# Altium PCB Driver_BLDC.PcbDoc (part 2 of 3) (continued)
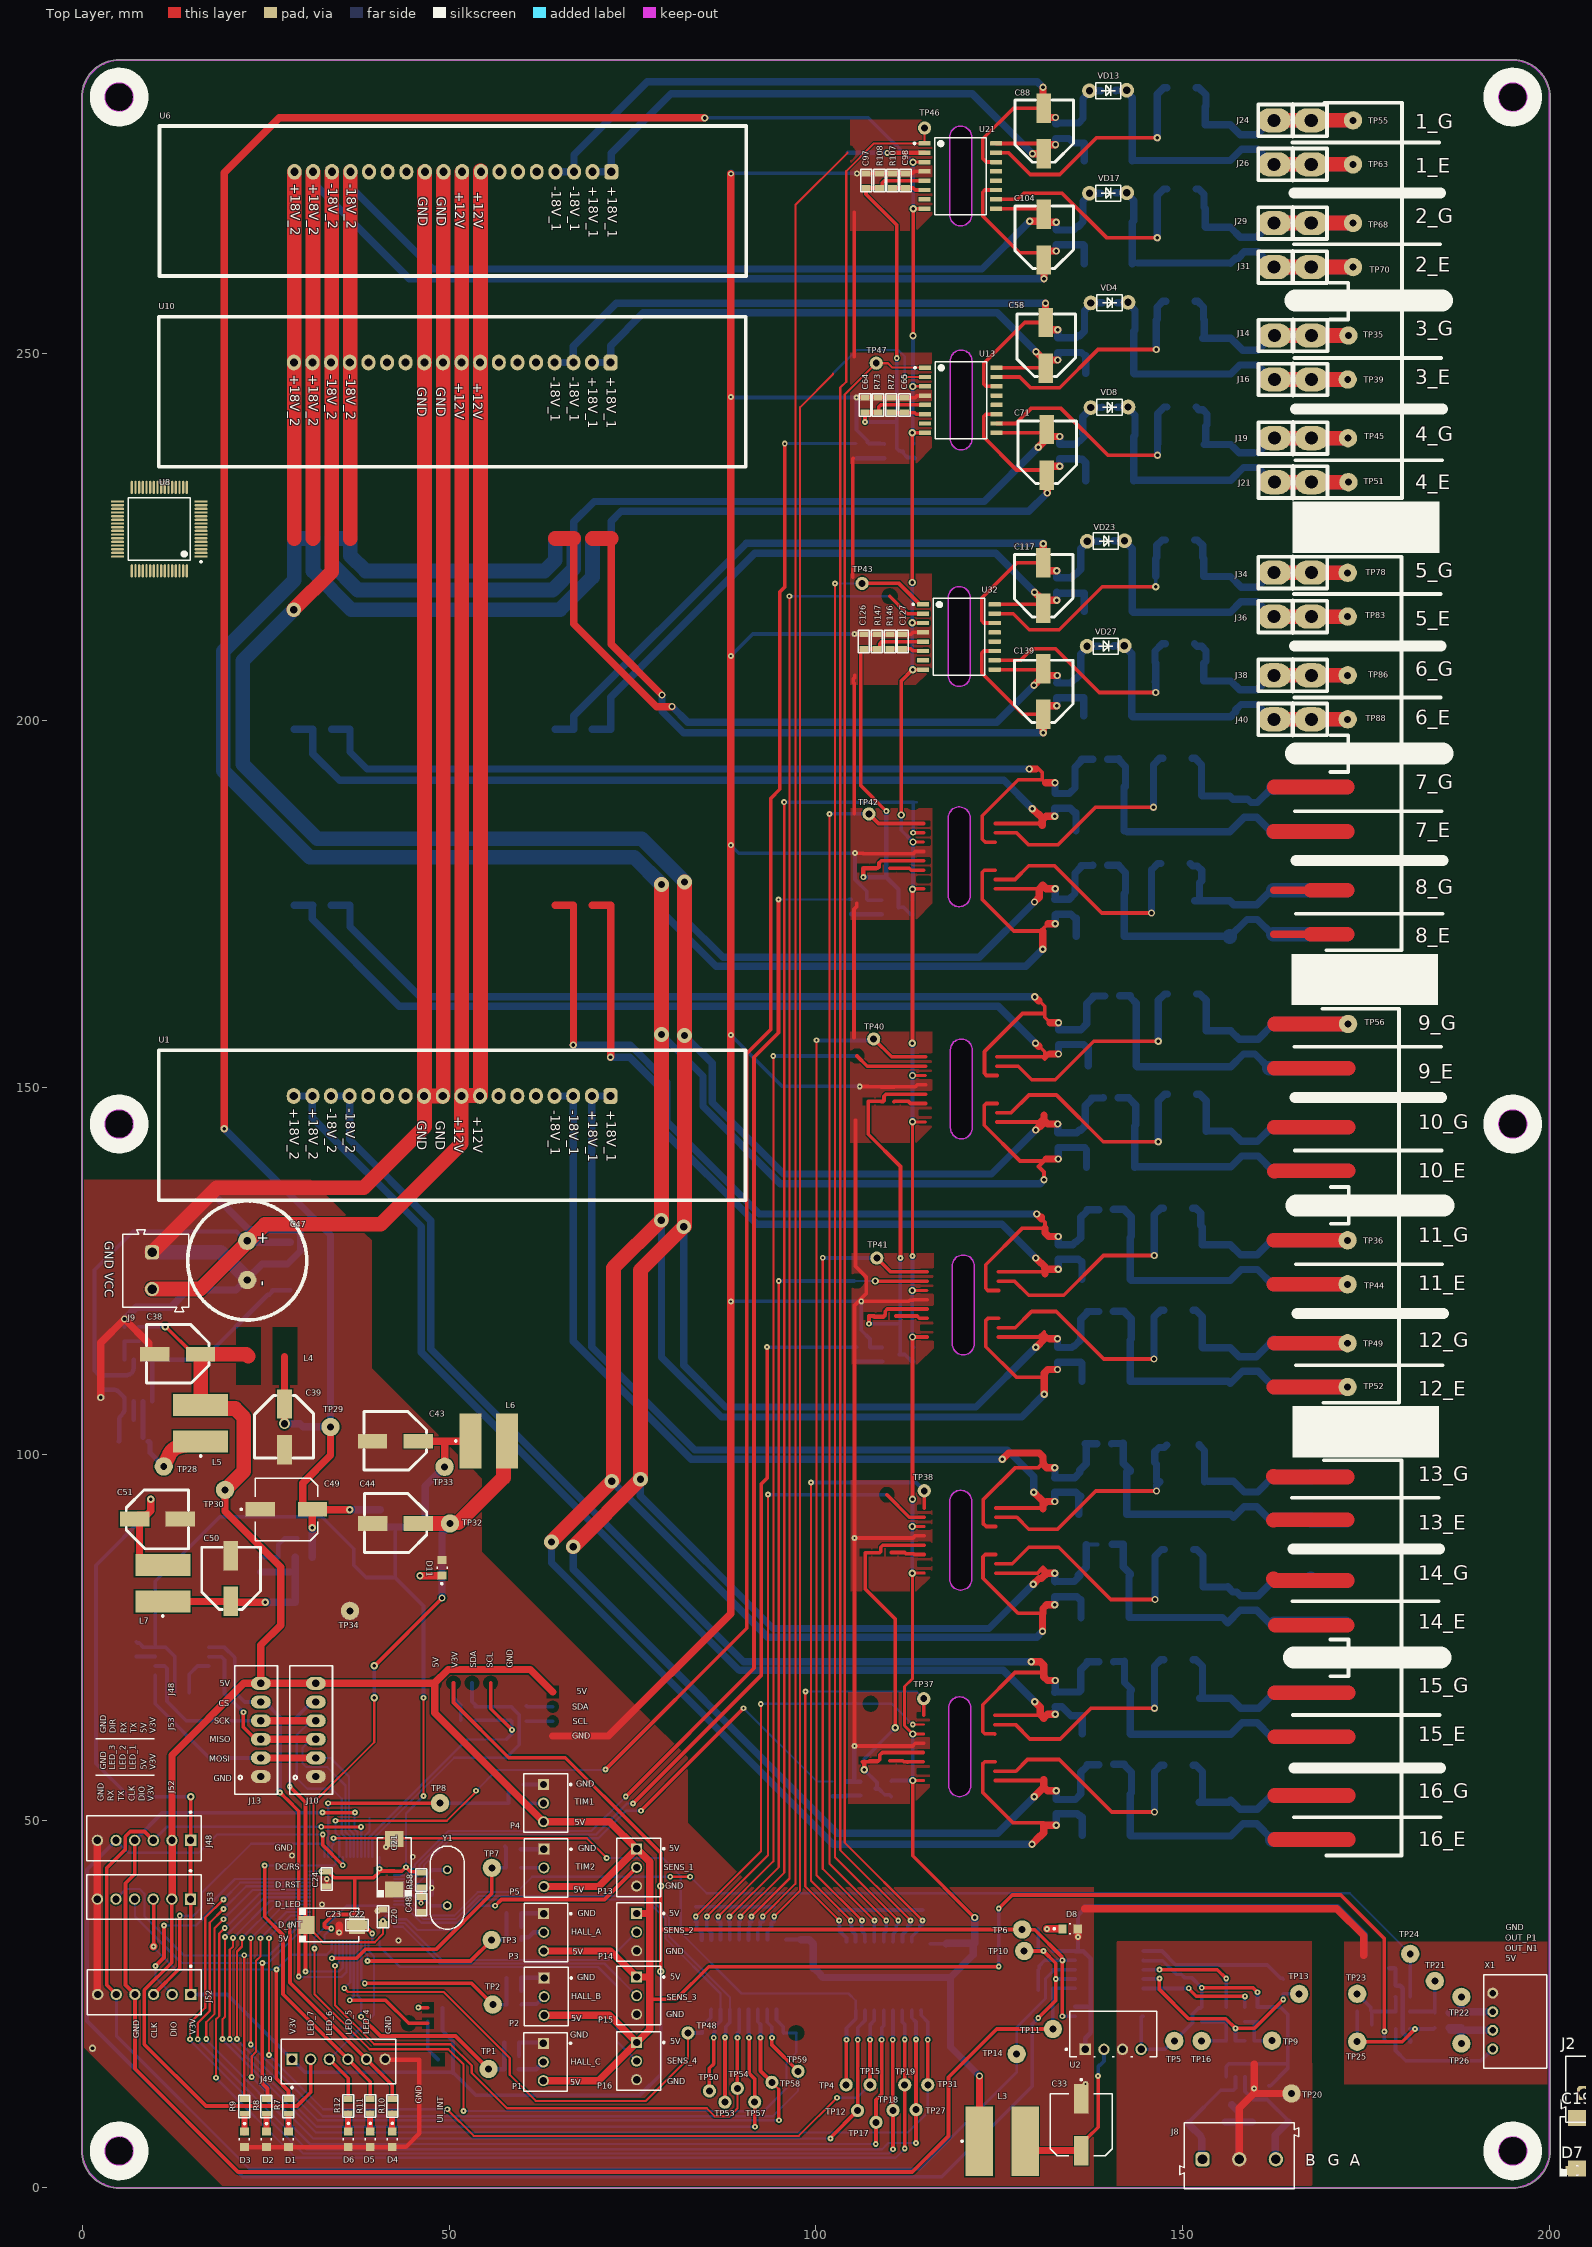
[diagram p0: Top Layer view]
## Nets (pads, with @x,y where several pads share a name; then routed paths per layer and width w, separated by ;. In a path a pad name is that pad's centre, name@x,y a point inside that pad or via, vN(x,y) a via of type N, cw(c..) or ccw(c..) an arc to the next point about the centre after c; other vN are vias at no path point) (continued)
  Bottom Layer w2: v4(28.825,215.125) 21.875,208.175 21.875,194.075 32.05,183.9 76.275,183.9 82.075,178.1 v4(82.075,178) ; 64.46,224.815 64.46,221.86 63,220.4 38.6,220.4 36.52,222.48 36.52,224.815 33.98,224.815 33.98,221.353 37.533,217.8 64.1,217.8 67,220.7 67,224.815 ; 162.446,115.149 162.486,115.109 TP49.1@172.486,115.109
GND_-24V_3: C86.1 C88.2 C92.2 C94.1 TP52.1 U6.3 U6.4 U21.14 VD13.2 | length 156.7
  Top Layer w0.5: U21.14@124.565,276.138 123.237,276.138 122.755,276.62 122.755,279.312 126.925,283.483 130.55,283.483 C88.2@131.05,283.483 131.05,282.973 C88.2@131.8,282.223
  Top Layer w1: v1(130.95,286.325) 130.95,283.583 C88.2@131.05,283.483 ; C88.2@131.8,282.223 v1(132.66,282.223)
  Top Layer w2: 162.446,109.149 167.526,109.149 TP52.1@172.486,109.149
  Bottom Layer w0.5: v1(132.66,282.223) v1@132.67,282.213 ; C86.1@132.67,281.352 C86.1@132.68,281.343
  Bottom Layer w1: U6.4@64.48,274.815 U6.3@67.02,274.815 67.02,277.12 77,287.1 130.175,287.1 v1(130.95,286.325) ; v1@132.67,282.213 132.67,281.352 C86.1@132.68,281.343 ; C86.1@132.9,281.343 133.03,281.473 135.82,281.473 136.42,282.073 136.42,284.81 137.295,285.685 VD13.2@137.295,285.858 137.307,285.87 138.858,285.87 C94.1@138.87,285.882 ; 140.556,119.449 140.581,119.474 142.031,119.474 142.056,119.499 142.056,119.401 143.006,118.451 143.006,115.734 142.831,115.559 142.831,112.364 142.831,109.914 156.2,109.914 156.486,109.628 158.147,111.289 159.426,111.289 160.306,111.289 161.37,110.224 161.37,110.212 162.434,109.149 162.446,109.149
  Bottom Layer w2: 162.446,109.149 167.526,109.149 TP52.1@172.486,109.149
GND_-24V_4: C102.1 C104.2 C110.2 C112.1 TP54.1 U6.15 U6.16 U21.9 VD17.2 | length 84.4
  Top Layer w0.3: v2(34.45,30.25) 34.45,24.875 39.774,19.551 50.168,19.551 53.075,16.644 53.075,15.625 57.875,10.825 85.105,10.825 86.205,9.725 88.221,9.725 89.291,10.796 TP54.1@89.291,13.536
  Top Layer w0.5: TP54.1@89.291,13.536 v2(89.291,20.434)
  Bottom Layer w0.3: v2(34.45,30.25) 35.007,30.807 35.007,33.576
  Bottom Layer w0.5: 89.255,21.07 89.273,21.052 89.273,20.451 v2(89.291,20.434) ; 89.54,21.22 89.54,24.275
GND_-24V_5: C115.1 C117.2 C122.2 C123.1 TP57.1 U1.3 U1.4 U32.14 VD23.2 | length 365
  Top Layer w0.3: v2(20.095,20.25) 20.095,32.42 20.55,32.875 v2(20.55,34.05) ; TP57.1@91.65,11.675 TP57.1@91.675,11.65
  Top Layer w0.5: v2(90.896,20.433) 90.896,15.57 91.65,14.816 TP57.1@91.65,11.675 ; v2(91.675,8.29) TP57.1@91.675,11.65 ; U32.14@124.375,213.299 122.898,213.299 122.605,213.591 122.605,216.718 127.398,221.512 130.5,221.512 C117.2@131,221.512 ; 124.519,90.12 123.209,90.12 122.794,90.535 122.794,93.775 127.134,98.115 130.276,98.115 130.954,98.793
  Top Layer w1: v1(125.4,99.275) 126.275,100.15 130.454,100.15 130.954,99.65 130.954,98.793 ; 130.97,98.809 130.97,98.619 131.454,98.135 v1(132.554,98.135) ; v1(130.975,224.125) 130.975,221.537 C117.2@131,221.512 131,220.944 131.5,220.444 v1(132.85,220.444)
  Bottom Layer w0.3: v2(20.095,20.25) 20.095,20.115 20.2,20.01 20.2,20 31.91,8.29 v2(91.675,8.29) ; v2(20.55,34.05) 25.576,39.076 31.007,39.076
  Bottom Layer w0.5: 90.81,24.275 90.81,21.156 90.896,21.07 v2(90.896,20.433)
  Bottom Layer w1: U1.4@64.37,148.815 U1.3@66.91,148.815 66.91,115.365 83,99.275 v1(125.4,99.275) ; 64.43,198.815 66.97,198.815 66.99,198.835 66.99,200.644 90.496,224.15 130.95,224.15 v1(130.975,224.125) ; v1(132.554,98.135) 132.591,98.098 132.591,96.81 132.574,96.793 135.272,96.793 135.964,97.485 135.964,97.635 ; v1(132.85,220.444) 132.85,219.524 C115.1@132.81,219.484 134.82,219.484 135.37,220.034 135.52,220.034 136.116,220.629 C122.2@136.116,220.779 ; 135.964,97.785 136.839,98.66 136.839,101.4 ; C122.2@136.12,220.784 136.12,223.401 136.995,224.276 VD23.2@136.995,224.449 137.007,224.461 138.558,224.461 C123.1@138.57,224.473 ; 136.731,101.413 138.281,101.413 138.294,101.425
GND_-24V_6: C138.1 C139.2 C142.2 C143.1 TP59.1 U1.15 U1.16 U32.9 VD27.2 | length 397
  Top Layer w0.3: v2(22.95,19.52) v2(22.95,34)
  Top Layer w0.5: v2(94,20.433) 94,19.429 TP59.1@97.575,15.854 ; 124.369,61.85 124.354,61.865 123.027,61.865 122.734,62.158 122.734,65.815 127.142,70.223 131.074,70.223 ; U32.9@124.375,206.949 130.867,206.949 C139.2@131,207.082
  Top Layer w1: 67,224.815 67,213.175 78.275,201.9 80.35,201.9 v1(80.375,201.925) ; v1(129.375,71.7) 130.574,71.7 131.074,71.2 131.074,70.223 131.074,69.623 131.574,69.123 v1(132.615,69.123) ; v1(129.725,204.825) 130.482,205.582 130.5,205.582 131,206.082 C139.2@131,206.644 ; C139.2@131,207.082 C139.2@131,206.644 ; v1(132.88,206.144) 131.5,206.144 C139.2@131,206.644
  Top Layer w2: 64.46,224.815 67,224.815
  Bottom Layer w0.3: v2(22.95,19.52) 32.745,9.725 94.109,9.725 97.575,13.191 TP59.1@97.575,15.854 ; v2(22.95,34) 27.026,38.076 31.007,38.076
  Bottom Layer w0.5: 93.35,24.275 93.35,22.55 93.973,21.927 93.973,21.22 94,21.193 94,21.07 v2(94,20.433)
  Bottom Layer w1: U1.16@33.89,148.815 U1.15@36.43,148.815 36.43,142.895 47.5,131.825 47.5,114.325 90.125,71.7 v1(129.375,71.7) ; v1(80.375,201.925) 82.55,199.75 124.65,199.75 v1(129.725,204.825) ; 132.538,67.509 132.615,67.587 v1(132.615,69.123) ; 132.538,67.575 135.94,67.575 136.124,67.759 136.124,70.621 136.999,71.496 136.999,71.664 137.011,71.676 138.561,71.676 138.574,71.689 ; v1(132.88,206.144) 132.88,205.144 C138.1@132.85,205.114 134.721,205.114 135.34,205.733 135.49,205.733 136.09,206.333 C142.2@136.09,206.483 136.09,209.085 136.965,209.96 VD27.2@136.965,210.128 136.977,210.14 138.528,210.14 C143.1@138.54,210.153
NetC1_2: C1.2 R1.2 R4.1 TP1.1 U8.27 | length 36.6
  Top Layer w0.5: v3(38.007,23.299) 40.631,20.675 50.863,20.675 TP1.1@55.372,16.167
  Bottom Layer w0.3: 37.507,33.576 37.507,26.157 38.007,25.657 v3(38.007,23.299)
  Bottom Layer w0.6: TP1.1@55.372,16.167 55.381,16.157 57.501,16.157 R1.2@57.511,16.147 57.522,16.158 C1.2@57.522,17.957 R4.1@57.522,19.787
NetC2_2: C2.2 R2.2 R5.1 TP2.1 U8.26 | length 30.1
  Top Layer w0.5: v3(38.5,27.85) 53.049,27.85 TP2.1@55.948,24.951
  Bottom Layer w0.3: 38.007,33.576 38.007,28.343 v3(38.5,27.85)
  Bottom Layer w0.5: TP2.1@55.948,24.951 R2.2@57.826,24.951 ; R2.2@57.826,24.951 R5.1@57.826,28.62
NetC3_2: C3.2 R3.2 R6.1 TP3.1 U8.25 | length 26.6
  Top Layer w0.5: v3(38.853,30.882) 52.921,30.882 TP3.1@55.793,33.754
  Bottom Layer w0.3: 38.507,33.576 38.507,32.007 38.855,31.659 v3(38.853,30.882) v3(38.853,30.882)
  Bottom Layer w0.6: TP3.1@55.793,33.754 55.808,33.769 57.808,33.769 R3.2@57.823,33.784 C3.2@57.823,35.552 R6.1@57.823,37.384
NetC8_1: C8.1 U8.5 Y1.2 | length 8.2
  Bottom Layer w0.3: 42.507,41.076 45.348,41.076 47.475,43.203 47.627,43.203
  Bottom Layer w0.5: 47.627,43.203 47.73,43.306 Y1.2@49.737,43.306
NetC10_1: C10.1 U8.6 Y1.1 | length 8.1
  Bottom Layer w0.3: 42.507,40.576 45.339,40.576 47.128,38.788 47.298,38.788 47.627,38.459 47.66,38.426
  Bottom Layer w0.5: 47.66,38.426 Y1.1@49.737,38.426
NetC18_2: C18.2 U8.30
NetC26_1: C26.1 R51.1 TP26.1 X1.2 | length 10
  Bottom Layer w0.5: R51.1@186.368,21.813 186.368,21.585 R51.1@186.513,21.44
  Bottom Layer w1: R51.1@186.363,21.808 186.368,21.813 187.988,21.813 C26.1@187.993,21.818 TP26.1@187.993,19.638 ; R51.1@186.513,21.44 X1.2@192.275,21.44
NetC26_2: C26.2 R49.1 TP22.1 X1.3 | length 8.3
  Top Layer w1: TP22.1@187.993,25.998 TP22.1@188.178,25.998
  Bottom Layer w1: R49.1@186.363,23.818 C26.2@187.993,23.818 ; TP22.1@187.993,25.998 C26.2@187.993,23.818 ; X1.3@192.275,23.98 188.18,23.98 188.018,23.818 C26.2@187.993,23.818
NetC27_1: C27.1 C29.1 R51.2 R53.1 TP25.1 U5.4 | length 16.2
  Top Layer w0.5: TP25.1@173.793,19.891 179.936,19.891 v3(181.663,21.618)
  Bottom Layer w0.5: TP25.1@173.793,19.891 C29.1@173.793,23.998 ; U5.4@180.963,21.618 v3(181.663,21.618) 184.213,21.618 184.363,21.768 R51.2@184.363,21.808
NetC27_2: C27.2 R49.2 TP21.1 U5.3 | length 7.8
  Bottom Layer w0.5: U5.3@180.963,24.018 182.836,24.018 184.213,24.018 184.363,23.868 R49.2@184.363,23.818 ; R49.2@184.373,23.828 TP21.1@184.373,28.158
NetC28_2: C28.2 R50.1 R52.1 TP24.1 U8.20 | length 152
  Top Layer w0.3: v2(80.15,42.375) v2(82.855,42.375)
  Bottom Layer w0.3: 42.507,39.576 44.263,39.576 46.759,37.08 50.687,37.08 53.889,40.282 59.232,40.282 61.325,42.375 v2(80.15,42.375) ; v2(82.855,42.375) 85.105,40.125 172.766,40.125 TP24.1@181.023,31.868
  Bottom Layer w0.5: R50.1@181.013,25.998 R52.1@181.013,27.838 181.013,29.651 C28.2@181.019,29.657 181.021,29.659 181.021,31.866 TP24.1@181.023,31.868
NetC29_2: C29.2 R50.2 R53.2 TP23.1 U5.1 | length 10.3
  Bottom Layer w0.5: TP23.1@173.793,26.418 175.643,24.568 175.643,24.148 C29.2@175.793,23.998 ; R53.2@175.793,22.188 C29.2@175.793,23.998 ; R50.2@179.013,25.998 179.063,25.948 U5.1@179.063,24.018 175.813,24.018 C29.2@175.793,23.998
NetC36_1: C36.1 U7.3 | length 2.5
  Bottom Layer w0.6: C36.1@7.005,104.691 U7.3@7.005,107.184
NetC48_2: C48.2 R58.1 U8.7 | length 6.3
  Top Layer w0.5: v8(46.177,38.777) 46.186,38.786 46.186,39.719 46.195,39.728 R58.1@46.195,40.881
  Bottom Layer w0.3: 42.507,40.076 44.878,40.076 v8(46.177,38.777)
NetC50_1: C50.1 C53.2 L7.1 U11.2 | length 29
  Top Layer w1: L7.1@10.96,79.899 20.175,79.899 C50.1@20.21,79.934 20.325,79.819 v1(24.935,79.819)
  Bottom Layer w1: C53.2@24.31,83.919 28.775,83.919 29.02,83.674 ; v1(24.935,79.819) U11.2@29.02,79.819 29.02,83.674 ; U11.2@29.02,85.919 29.02,83.674
NetC61_1: C61.1 C62.2 J16.1 R61.1 R62.1 TP39.1 VD2.1 VD4.1 | length 52.2
  Top Layer w2: J16.1@162.502,246.498 J16.1@167.582,246.498 TP39.1@172.502,246.498
  Bottom Layer w1: C62.2@141.056,256.955 141.081,256.98 142.531,256.98 VD4.1@142.556,257.006 142.556,256.908 143.506,255.958 C61.1@143.506,253.233 143.331,253.058 R62.1@143.331,249.763 R62.1@143.331,247.313 143.407,247.237 VD2.1@156.542,247.237 157.783,248.478 R61.1@159.692,248.478 160.22,248.478 162.2,246.498 J16.1@162.502,246.498
  Bottom Layer w2: J16.1@162.502,246.498 J16.1@167.582,246.498 TP39.1@172.502,246.498
NetC64_2: C64.2 Q1.3 R73.2 R76.2 U13.5 | length 65.3
  Top Layer w0.5: C64.2@106.683,242.012 106.693,242.012 R73.2@108.148,242.012 ; R73.2@108.473,242.022 108.582,242.13 108.582,242.758 108.857,243.033 U13.5@114.887,243.033 ; v3(111.025,249.403) 111.025,267.55 106.836,271.739 106.836,272.453 106.847,272.464 106.847,272.603 108.667,272.603 108.892,272.603 109.042,272.753 109.042,273.305 109.335,273.598 114.815,273.598
  Top Layer w0.6: v3(106.693,240.7) 106.693,242.012 106.693,242.022 R73.2@108.473,242.022
  Bottom Layer w0.5: v3(106.693,240.7) 111.025,240.7 ; v3(111.025,249.403) 111.025,240.7 ; R76.2@113.561,235.72 113.411,235.87 112.475,235.87 111.9,236.445 111.9,236.67 111.675,236.67 Q1.3@111.625,236.72 111.575,236.77 111.338,236.77 111.025,237.083 111.025,240.7
NetC65_2: C65.2 R72.2 U13.6 | length 4.7
  Top Layer w0.5: R72.2@110.263,242.012 110.307,241.968 113.462,241.968 113.667,241.763 U13.6@114.887,241.763
NetC80_1: C80.1 C82.2 J21.1 R81.1 R82.1 TP51.1 VD6.1 VD8.1 | length 53
  Top Layer w2: J21.1@162.502,232.498 J21.1@167.582,232.498 TP51.1@172.592,232.498
  Bottom Layer w1: C82.2@141.056,242.697 141.081,242.722 142.531,242.722 VD8.1@142.556,242.748 142.556,242.598 143.492,241.662 C80.1@143.492,238.868 143.317,238.693 R82.1@143.317,235.153 R82.1@143.317,232.703 143.371,232.757 VD6.1@156.542,232.757 158.283,234.498 R81.1@159.672,234.498 160.24,234.498 162.24,232.498 J21.1@162.502,232.498
  Bottom Layer w2: J21.1@162.502,232.498 J21.1@167.582,232.498 TP51.1@172.592,232.498
NetC92_1: C92.1 C94.2 J26.1 R95.1 R96.1 TP63.1 VD11.1 VD13.1 | length 53.8
  Top Layer w2: J26.1@162.45,275.823 J26.1@167.53,275.823 TP63.1@173.226,275.823
  Bottom Layer w1: C94.2@140.87,285.882 140.895,285.907 142.345,285.907 VD13.1@142.37,285.933 142.37,285.662 143.145,284.887 R96.1@143.145,278.738 R96.1@143.145,276.288 143.199,276.342 VD11.1@156.49,276.342 158.021,277.873 R95.1@159.5,277.873 160.237,277.873 162.287,275.823 J26.1@162.45,275.823
  Bottom Layer w2: J26.1@162.45,275.823 J26.1@167.53,275.823 TP63.1@173.226,275.823
NetC97_2: C97.2 Q2.3 R104.2 R108.2 U21.5
NetC98_2: C98.2 R107.2 U21.6 | length 4.5
  Top Layer w0.5: R107.2@110.45,272.603 113.254,272.603 113.529,272.328 U21.6@114.815,272.328
NetC110_1: C110.1 C112.2 J31.1 R118.1 R119.1 TP70.1 VD15.1 VD17.1 | length 53.5
  Top Layer w2: J31.1@162.45,261.823 J31.1@167.53,261.823 TP70.1@173.226,261.823
  Bottom Layer w1: C112.2@140.87,271.912 140.895,271.937 142.345,271.937 VD17.1@142.37,271.963 142.37,271.843 143.32,270.893 C110.1@143.32,268.143 143.145,267.968 R119.1@143.145,264.738 R119.1@143.145,262.288 R119.1@143.279,262.422 ; R119.1@143.859,262.382 VD15.1@156.5,262.382 ; VD15.1@156.53,262.352 157.22,263.042 157.556,263.042 158.417,263.903 R118.1@159.59,263.903 160.267,263.903 162.347,261.823 J31.1@162.45,261.823
  Bottom Layer w2: J31.1@162.45,261.823 J31.1@167.53,261.823 TP70.1@173.226,261.823
NetC122_1: C122.1 C123.2 J36.1 R135.1 R136.1 TP83.1 VD21.1 VD23.1 | length 52.5
  Top Layer w2: J36.1@162.46,214.174 J36.1@167.54,214.174 TP83.1@172.5,214.174
  Bottom Layer w1: C123.2@140.57,224.473 140.595,224.498 142.045,224.498 VD23.1@142.07,224.524 142.07,224.503 143.135,223.438 R136.1@143.135,217.339 R136.1@143.135,214.889 143.261,214.763 VD21.1@156.51,214.763 157.931,216.184 R135.1@159.73,216.184 160.207,216.184 162.217,214.174 J36.1@162.46,214.174
  Bottom Layer w2: J36.1@162.46,214.174 J36.1@167.54,214.174 TP83.1@172.5,214.174
NetC126_2: C126.2 Q3.3 R132.2 R147.2 U32.5 | length 122.9
  Top Layer w0.5: C126.2@106.54,209.758 106.315,209.758 106.165,209.608 106.165,209.371 106.11,209.316 106.11,191.14 v3(109.6,187.65) ; C126.2@106.808,209.764 R147.2@108.315,209.764 ; 107.238,118.824 107.966,118.824 ; 108.222,179.879 108.447,179.879 108.597,180.029 108.597,180.586 108.89,180.879 114.678,180.879 ; R147.2@108.54,209.764 108.69,209.914 108.69,210.471 108.983,210.764 114.62,210.764 U32.5@114.625,210.759 ; 109.29,118.824 109.44,118.974 109.44,119.476 109.733,119.769 115.141,119.769 ; v3(111.525,126.725) 111.525,139.214 107.144,143.595 107.144,148.079 108.904,148.079 108.934,148.049 109.138,148.049 109.288,148.199 109.288,148.781 109.581,149.074 114.939,149.074
  Top Layer w0.6: v3(106.463,178.65) 106.463,179.879 108.222,179.879 ; v3(107.236,117.775) v3(107.236,117.775) 107.237,118.823 107.238,118.824 ; 107.966,118.724 109.19,118.724 109.29,118.824
  Bottom Layer w0.5: v3(107.236,117.775) 111.498,117.775 ; 111.255,174.563 111.937,174.563 112.837,173.663 112.937,173.563 113.162,173.563 ; Q3.3@111.34,113.575 Q3.3@111.448,113.575 ; v3(111.525,126.725) 111.498,126.698 111.498,117.775 ; R132.2@113.347,112.575 113.247,112.675 113.022,112.675 112.122,113.575 Q3.3@111.448,113.575 ; Q3.3@111.448,113.575 111.498,113.625 111.498,117.775
  Bottom Layer w0.6: v3(106.463,178.65) 109.6,178.65 ; v3(109.6,187.65) 109.6,178.65 ; 111.255,174.563 111.255,176.995 109.6,178.65
NetC127_2: C127.2 R146.2 U32.6 | length 4.7
  Top Layer w0.5: R146.2@110.095,209.764 110.125,209.794 112.923,209.794 113.181,209.536 114.578,209.536 U32.6@114.625,209.489
NetC142_1: C142.1 C143.2 J40.1 R152.1 R153.1 TP88.1 VD25.1 VD27.1 | length 52.7
  Top Layer w2: J40.1@162.46,200.174 J40.1@167.54,200.174 TP88.1@172.5,200.174
  Bottom Layer w1: C143.2@140.54,210.153 140.565,210.178 142.015,210.178 VD27.1@142.04,210.203 142.04,210.152 143.075,209.117 R153.1@143.075,203.098 R153.1@143.075,200.648 143.2,200.523 VD25.1@156.55,200.523 157.25,201.223 157.25,201.484 157.949,202.184 160.207,202.184 162.217,200.174 J40.1@162.46,200.174
  Bottom Layer w2: J40.1@162.46,200.174 J40.1@167.54,200.174 TP88.1@172.5,200.174
NetD1_1: D1.1 R7.1 | length 2.5
  Top Layer w0.8: D1.1@28.081,7.626 R7.1@28.081,10.076
NetD2_1: D2.1 R8.1 | length 2.5
  Top Layer w0.8: D2.1@25.081,7.626 R8.1@25.081,10.076
NetD3_1: D3.1 R9.1 | length 2.5
  Top Layer w0.8: D3.1@22.081,7.626 R9.1@22.081,10.076
NetD4_1: D4.1 R10.1 | length 2.5
  Top Layer w0.8: D4.1@42.231,7.651 R10.1@42.231,10.101
NetD5_1: D5.1 R11.1 | length 2.5
  Top Layer w0.8: D5.1@39.231,7.651 R11.1@39.231,10.101
NetD6_1: D6.1 R12.1 | length 2.5
  Top Layer w0.8: D6.1@36.231,7.651 R12.1@36.231,10.101
NetD7_1: D7.1 R46.1
NetD8_1: D8.1 R39.1 | length 2.9
  Top Layer w1: v3(131.486,35.267) D8.1@133.593,35.267
  Bottom Layer w1: v3(131.486,35.267) 132.283,35.267 R39.1@132.303,35.287
NetD9_1: D9.1 R47.1
NetD10_1: D10.1 L5.1 TP28.1 U7.2 | length 15.8
  Top Layer w2: TP28.1@11.09,98.319 11.833,99.919 cw(c13.647,99.077) 13.192,101.025 13.98,101.209 L5.1@16.12,101.709
  Bottom Layer w0.7: D10.1@8.275,102.259 U7.2@8.275,107.184 ; D10.1@8.98,101.709 9.08,101.709 9.23,101.559 9.23,100.179 TP28.1@11.09,98.319
NetD11_1: D11.1 R55.1 | length 4
  Top Layer w1: v1(46.025,83.435) D11.1@49.035,83.435
  Bottom Layer w1: v1(46.025,83.435) R55.1@46.965,83.435
NetD12_1: D12.1 R60.1 U13.15 | length 31.9
  Top Layer w0.5: U13.15@124.637,246.843 127.777,246.843 129.252,245.368 133.247,245.368 138.457,250.578 v1(146.382,250.578)
  Bottom Layer w0.5: R60.1@146.382,252.118 R60.1@146.397,252.133
  Bottom Layer w1: v1(146.382,250.578) R60.1@146.382,252.118 ; R60.1@146.397,252.133 R60.1@146.397,254.583 146.514,254.7 146.514,256.39 147.272,257.148 D12.1@147.672,257.148
NetD12_2: D12.2 J14.1 R60.2 R61.2 TP35.1 VD2.2 | length 37.3
  Top Layer w2: J14.1@162.502,252.498 J14.1@167.582,252.498 TP35.1@172.592,252.498
  Bottom Layer w1: D12.2@151.672,257.148 152.072,257.148 152.83,256.39 152.83,254.7 R60.2@152.947,254.583 R60.2@152.947,252.133 R60.2@152.962,252.118 ; R60.2@152.722,252.118 VD2.2@156.542,252.118 158.182,250.478 R61.2@159.692,250.478 160.26,250.478 162.28,252.498 J14.1@162.502,252.498
  Bottom Layer w2: J14.1@162.502,252.498 J14.1@167.582,252.498 TP35.1@172.592,252.498
NetD14_1: D14.1 R77.1 U13.10 | length 32.5
  Top Layer w0.5: U13.10@124.637,240.493 127.257,240.493 129.322,242.558 133.422,242.558 139.822,236.158 v1@146.332,236.158
  Bottom Layer w0.5: R77.1@146.572,237.694 R77.1@146.581,237.703
  Bottom Layer w1: v1(146.572,236.158) R77.1@146.572,237.694 ; R77.1@146.581,237.703 R77.1@146.581,240.153 146.581,241.863 147.106,242.388 147.456,242.738 D14.1@147.856,242.738
NetD14_2: D14.2 J19.1 R77.2 R81.2 TP45.1 VD6.2 | length 36.5
  Top Layer w2: J19.1@162.502,238.498 J19.1@167.582,238.498 TP45.1@172.542,238.498
  Bottom Layer w1: D14.2@151.856,242.738 152.206,242.388 152.726,242.388 153.312,241.802 153.312,240.334 R77.2@153.131,240.153 R77.2@153.131,237.703 R77.2@153.196,237.638 ; R77.2@152.956,237.638 VD6.2@156.542,237.638 157.682,236.498 R81.2@159.672,236.498 ; R81.2@160.24,236.498 162.24,238.498 J19.1@162.502,238.498
  Bottom Layer w2: J19.1@162.502,238.498 J19.1@167.582,238.498 TP45.1@172.542,238.498
NetD17_1: D17.1 R92.1 U21.15 | length 32.8
  Top Layer w0.5: U21.15@124.565,277.408 126.255,277.408 129.22,274.443 133.24,274.443 138.26,279.463 v1(146.535,279.463)
  Bottom Layer w1: v1(146.535,279.463) R92.1@146.535,281.218 R92.1@146.535,283.668 146.535,285.398 147.41,286.273 D17.1@147.81,286.273
NetD17_2: D17.2 J24.1 R92.2 R95.2 TP55.1 VD11.2 | length 38.2
  Top Layer w2: J24.1@162.45,281.823 J24.1@167.53,281.823 TP55.1@173.226,281.823
  Bottom Layer w1: D17.2@151.81,286.273 152.21,286.273 153.176,285.307 153.176,283.758 R92.2@153.085,283.668 R92.2@153.085,281.218 153.09,281.223 VD11.2@156.49,281.223 157.84,279.873 R95.2@159.5,279.873 160.137,279.873 162.087,281.823 J24.1@162.45,281.823
  Bottom Layer w2: J24.1@162.45,281.823 J24.1@167.53,281.823 TP55.1@173.226,281.823
NetD19_1: D19.1 R115.1 U21.10 | length 32.2
  Top Layer w0.5: U21.10@124.565,271.058 127.515,271.058 128.345,271.888 133.563,271.888 139.608,265.843 v1(146.535,265.843)
  Bottom Layer w1: v1(146.535,265.843) R115.1@146.535,267.338 R115.1@146.535,269.788 146.535,271.588 147.41,272.463 D19.1@147.81,272.463
NetD19_2: D19.2 J29.1 R115.2 R118.2 TP68.1 VD15.2 | length 38.2
  Top Layer w2: J29.1@162.45,267.823 J29.1@167.53,267.823 TP68.1@173.226,267.823
  Bottom Layer w1: D19.2@151.81,272.463 152.21,272.463 152.912,271.761 152.912,269.961 R115.2@153.085,269.788 R115.2@153.085,267.338 153.16,267.263 VD15.2@156.5,267.263 ; VD15.2@156.52,267.223 157.84,265.903 R118.2@159.59,265.903 160.107,265.903 162.027,267.823 J29.1@162.45,267.823
  Bottom Layer w2: J29.1@162.45,267.823 J29.1@167.53,267.823 TP68.1@173.226,267.823
NetD21_1: D21.1 R131.1 U32.15 | length 32.4
  Top Layer w0.5: U32.15@124.375,214.569 126.895,214.569 129.1,212.364 133.18,212.364 139.05,218.234 v1(146.32,218.234)
  Bottom Layer w0.5: v1(146.32,218.234) 146.32,219.634 R131.1@146.33,219.644
  Bottom Layer w1: R131.1@146.33,219.644 R131.1@146.33,222.094 146.487,222.251 146.487,223.901 147.205,224.619 D21.1@147.605,224.619
NetD21_2: D21.2 J34.1 R131.2 R135.2 TP78.1 VD21.2 | length 36.9
  Top Layer w2: J34.1@162.46,220.174 162.49,220.144 TP78.1@172.5,220.144
  Bottom Layer w1: D21.2@151.605,224.619 152.005,224.619 152.723,223.901 152.723,222.251 R131.2@152.88,222.094 R131.2@152.88,219.644 VD21.2@156.51,219.644 157.97,218.184 R135.2@159.73,218.184 160.187,218.184 162.177,220.174 J34.1@162.46,220.174
  Bottom Layer w2: J34.1@162.46,220.174 162.49,220.144 TP78.1@172.5,220.144
NetD24_1: D24.1 R149.1 U32.10 | length 32.7
  Top Layer w0.5: U32.10@124.375,208.219 127.905,208.219 129.47,209.784 132.66,209.784 138.621,203.823 v1(146.335,203.823)
  Bottom Layer w0.5: R149.1@146.225,205.278 R149.1@146.335,205.389
  Bottom Layer w1: R149.1@146.225,205.278 146.335,205.167 v1(146.335,203.823) ; R149.1@146.335,205.389 R149.1@146.335,207.839 146.225,207.949 146.225,209.478 147.21,210.464 D24.1@147.61,210.464
NetD24_2: D24.2 J38.1 R149.2 R152.2 TP86.1 VD25.2 | length 37.2
  Top Layer w2: J38.1@162.46,206.174 J38.1@167.54,206.174 TP86.1@172.5,206.174
  Bottom Layer w1: D24.2@151.61,210.464 151.96,210.114 152.584,210.114 153.17,209.528 153.17,208.064 152.945,207.839 R149.2@152.885,207.839 R149.2@152.885,205.389 156.535,205.389 VD25.2@156.55,205.404 157.77,204.184 R152.2@159.55,204.184 160.187,204.184 162.177,206.174 J38.1@162.46,206.174
  Bottom Layer w2: J38.1@162.46,206.174 J38.1@167.54,206.174 TP86.1@172.5,206.174
NetJ1_1: J1.1 J8.1 R41.2 U3.7 ZD2.1 | length 15.6
  Bottom Layer w0.5: ZD2.1@150.806,8.862 155.203,13.26 156.92,13.26 157.207,13.547 U3.7@157.207,15.097
  Bottom Layer w1: ZD2.1@150.717,8.773 151.241,8.249 152.32,7.17 cw(c151.612,6.464) 152.612,6.464 152.612,3.952 J8.1@152.702,3.862
NetJ1_3: J1.3 J8.3 R24.1 U3.6 ZD1.1 | length 15.8
  Bottom Layer w0.5: U3.6@158.477,15.097 158.492,15.082 158.492,13.108 159.588,12.012 161.503,12.012 ZD1.1@164.653,8.862
  Bottom Layer w1: J8.3@162.702,3.862 162.612,3.952 162.612,7.169 ZD1.1@164.393,8.949
NetJ10_2: J10.2 J13.2 U8.57 U15.5 | length 45.7
  Top Layer w1: J13.2@24.328,58.577 J10.2@31.828,58.577
  Bottom Layer w0.3: J10.2@31.828,58.577 33.837,58.577 36.355,56.059 36.355,48.859 37.007,48.207 37.007,45.076
  Bottom Layer w0.5: U15.5@9.918,69.837 9.918,65.957 17.298,58.577 J13.2@24.328,58.577
NetJ10_3: J10.3 J13.3 U8.56 U15.2 | length 45.2
  Top Layer w0.3: J10.3@31.828,61.117 J10.3@32.333,61.117
  Top Layer w0.5: v2(21.95,64.8) 21.95,62.762 23.595,61.117 J13.3@24.328,61.117
  Top Layer w1: J13.3@24.328,61.117 J10.3@31.828,61.117
  Bottom Layer w0.3: J10.3@31.828,61.117 31.142,61.117 30,59.975 30,57.85 30.525,57.325 33.375,57.325 35.875,54.825 35.875,48.492 36.507,47.859 36.507,45.076
  Bottom Layer w0.5: U15.2@17.218,72.377 18.973,72.377 19.378,71.972 19.378,67.372 v2(21.95,64.8)
NetJ10_4: J10.4 J13.4 U8.55 U15.6 | length 52.4
  Top Layer w1: J13.4@24.328,63.657 J10.4@31.828,63.657
  Bottom Layer w0.3: J10.4@31.828,63.657 31.182,63.657 29.225,61.7 29.225,55.824 30.674,54.375 33.988,54.375 35.355,53.008 35.355,48.262 36.007,47.609 36.007,45.076
  Bottom Layer w0.5: U15.6@9.918,71.107 11.232,71.107 11.525,70.814 11.525,66.3 14.168,63.657 J13.4@24.328,63.657
NetJ10_5: J10.5 U8.29 | length 48.3
  Top Layer w0.5: v3(28.272,54.675) 30.407,52.541 v3(30.407,29.482)
  Bottom Layer w0.3: v3(30.407,29.482) 35.05,29.482 35.507,29.939 35.507,33.576
  Bottom Layer w0.5: v3(28.272,54.675) 28.272,63.197 31.272,66.197 J10.5@31.828,66.197
NetJ13_5: J13.5 U8.33 | length 63.8
  Top Layer w0.5: v3(26.95,53.875) 26.95,53.856 27.806,53 27.812,53 29.498,51.314 29.498,28.802 v3(29.5,28.8)
  Bottom Layer w0.3: J13.5@24.328,66.197 J13.5@24.892,66.197 ; v3(29.5,28.8) 29.593,28.707 35.312,28.707 36.007,29.402 36.007,33.576
  Bottom Layer w0.5: 17.218,73.647 19.378,73.647 20.772,72.253 20.772,67.553 22.128,66.197 J13.5@24.328,66.197 ; J13.5@24.892,66.197 26.95,64.139 v3(26.95,53.875)
NetJ48_3: J48.3 J52.5 R25.1 TP14.1 U4.6 U8.59 | length 221.4
  Top Layer w0.4: v3(32.56,49.197) 32.575,49.182 v3(38.001,49.182)
  Top Layer w0.5: J52.5@4.622,26.332 3.3,27.654 3.3,43.551 5.85,46.101 5.85,47.85 6.537,48.537 8.462,48.537 J48.3@9.667,47.332
  Bottom Layer w0.3: v3(38.001,49.182) 38.007,49.176 38.007,45.076
  Bottom Layer w0.4: J52.5@4.622,26.332 4.622,20.703 22.775,2.55 114.175,2.55 116.3,4.675 127.375,15.75 127.375,21.837 131.303,25.765 131.303,28.487 132.303,29.487 R25.1@132.303,29.712 ; J48.3@9.667,47.332 11.532,49.197 v3(32.56,49.197)
  Bottom Layer w0.5: R25.1@132.303,29.712 U4.6@135.368,29.712
NetJ48_4: J48.4 J52.4 R28.1 TP11.1 U4.4 U8.58 | length 222.5
  Top Layer w0.5: J48.4@7.127,47.332 7.127,42.752 5.882,41.507 5.882,27.612 J52.4@7.162,26.332 7.162,16.188 21.225,2.125 113.15,2.125 118.075,7.05 118.075,15.05 124.653,21.628 TP11.1@132.303,21.628 ; v3(32.732,51.125) v3(37.15,51.125)
  Bottom Layer w0.3: v3(37.15,51.125) 37.107,51.082 37.107,48.857 37.507,48.457 37.507,45.076
  Bottom Layer w0.5: J48.4@7.127,47.332 10.92,51.125 v3(32.732,51.125) ; TP11.1@132.225,21.55 TP11.1@132.303,21.628 R28.1@132.303,27.172 U4.4@135.368,27.172
NetJ48_5: J48.5 R39.2 R40.2 TP10.1 U4.5 U8.61 | length 234.9
  Top Layer w0.5: v3(32.771,48.146) 32.75,48.125 32.75,46.7 v3(35.5,43.95) ; TP10.1@128.397,32.252 v3(131.033,32.252) 132.703,30.582 v3(132.703,28.442) 132.703,25.515 v2(130.303,23.115)
  Bottom Layer w0.3: J48.5@4.587,47.332 6.269,45.65 15.9,45.65 18.396,48.146 v3(32.771,48.146) ; v3(35.5,43.95) 35.505,43.955 35.505,45.074 35.507,45.076
  Bottom Layer w0.5: J48.5@4.587,47.332 0.632,43.377 0.632,22.718 21.875,1.475 117.15,1.475 129.5,13.825 129.5,22.312 v2(130.303,23.115) ; R39.2@130.303,35.287 R40.2@130.303,32.252 v3(131.033,32.252) ; v3(132.703,28.442) U4.5@135.368,28.442
NetJ49_3: J49.3 R12.2 U8.40 | length 25.4
  Top Layer w0.5: J49.3@33.657,17.496 36.257,14.896 R12.2@36.257,12.101
  Bottom Layer w0.3: J49.3@33.657,17.496 39.757,23.596 39.757,31.526 39.009,32.273 39.009,33.574 39.007,33.576
NetJ49_4: J49.4 R11.2 U8.39 | length 48.5
  Top Layer w0.5: v2(24.85,43.925) 24.85,36.943 27.35,34.443 27.35,26.343 J49.4@36.197,17.496 39.257,14.436 R11.2@39.257,12.101
  Bottom Layer w0.3: v2(24.85,43.925) 34.306,43.925 34.507,44.126 34.507,45.076
NetJ49_5: J49.5 R10.2 U8.38 | length 32.5
  Top Layer w0.5: v3(28.275,35.728) 28.275,34.479 28.305,34.449 28.305,27.928 J49.5@38.737,17.496 42.257,13.976 R10.2@42.257,12.101
  Bottom Layer w0.3: v3(28.275,35.728) 29.123,36.576 31.007,36.576
NetJ52_2: J52.2 | length 33.9
  Top Layer w0.5: v2(9.975,30.225) 11.125,31.375 v2(11.125,35.725)
  Bottom Layer w0.3: v2@9.975,30.199 9.975,28.599 J52.2@12.242,26.332 ; v2(11.125,35.725) 15.475,35.725 17.725,37.975 17.725,39 20.801,42.076 31.007,42.076

## Text inside footprints (layer, text, board x,y; h text height)
U6: Top Overlay "+12V" at 50.836,272.058 h1.3 r270; Top Overlay "GND" at 48.297,271.418 h1.3 r270; Top Overlay "GND" at 45.757,271.418 h1.3 r270; Top Overlay "+12V" at 53.376,272.058 h1.3 r270; Top Overlay "-18V_2" at 36.03,273.154 h1.3 r270; Top Overlay "-18V_2" at 33.49,273.154 h1.3 r270; Top Overlay "+18V_2" at 30.95,273.154 h1.3 r270; Top Overlay "+18V_2" at 28.41,273.154 h1.3 r270; Top Overlay "+18V_1" at 71.589,272.875 h1.3 r270; Top Overlay "+18V_1" at 69.049,272.875 h1.3 r270; Top Overlay "-18V_1" at 66.509,272.875 h1.3 r270; Top Overlay "-18V_1" at 63.969,272.875 h1.3 r270; Bottom Overlay "+18V_1" at 71.589,266.667 h1.3 r270; Bottom Overlay "+18V_1" at 69.049,266.667 h1.3 r270; Bottom Overlay "-18V_1" at 66.509,266.667 h1.3 r270; Bottom Overlay "-18V_1" at 63.969,266.667 h1.3 r270; Bottom Overlay "+12V" at 53.376,267.484 h1.3 r270; Bottom Overlay "+12V" at 50.836,267.484 h1.3 r270; Bottom Overlay "GND" at 48.297,268.124 h1.3 r270; Bottom Overlay "GND" at 45.757,268.124 h1.3 r270; Bottom Overlay "-18V_2" at 36.03,266.389 h1.3 r270; Bottom Overlay "-18V_2" at 33.49,266.388 h1.3 r270; Bottom Overlay "+18V_2" at 30.95,266.388 h1.3 r270; Bottom Overlay "+18V_2" at 28.41,266.388 h1.3 r270
U10: Top Overlay "+12V" at 50.746,246.058 h1.3 r270; Top Overlay "GND" at 48.207,245.418 h1.3 r270; Top Overlay "GND" at 45.667,245.418 h1.3 r270; Top Overlay "+12V" at 53.286,246.058 h1.3 r270; Top Overlay "-18V_2" at 35.94,247.154 h1.3 r270; Top Overlay "-18V_2" at 33.4,247.154 h1.3 r270; Top Overlay "+18V_2" at 30.86,247.154 h1.3 r270; Top Overlay "+18V_2" at 28.32,247.154 h1.3 r270; Top Overlay "+18V_1" at 71.499,246.875 h1.3 r270; Top Overlay "+18V_1" at 68.959,246.875 h1.3 r270; Top Overlay "-18V_1" at 66.419,246.875 h1.3 r270; Top Overlay "-18V_1" at 63.879,246.875 h1.3 r270; Bottom Overlay "+18V_1" at 71.499,240.667 h1.3 r270; Bottom Overlay "+18V_1" at 68.959,240.667 h1.3 r270; Bottom Overlay "-18V_1" at 66.419,240.667 h1.3 r270; Bottom Overlay "-18V_1" at 63.879,240.667 h1.3 r270; Bottom Overlay "+12V" at 53.286,241.484 h1.3 r270; Bottom Overlay "+12V" at 50.746,241.484 h1.3 r270; Bottom Overlay "GND" at 48.207,242.124 h1.3 r270; Bottom Overlay "GND" at 45.667,242.124 h1.3 r270; Bottom Overlay "-18V_2" at 35.94,240.389 h1.3 r270; Bottom Overlay "-18V_2" at 33.4,240.388 h1.3 r270; Bottom Overlay "+18V_2" at 30.86,240.388 h1.3 r270; Bottom Overlay "+18V_2" at 28.32,240.388 h1.3 r270